# Altium PCB PCB3.PcbDoc (part 1 of 3)
Units mm, origin at the board's own origin, x right, y up, seen from the top; angles counter-clockwise.
Board outline 202.9 x 84.5 mm, 4 copper layers (Top Layer, GND, POWER, Bottom Layer), stack 1.564 mm thick; 186 components, 192 nets, 845 pads, 410 vias.
Unrouted connection lines stored in the file: 199.
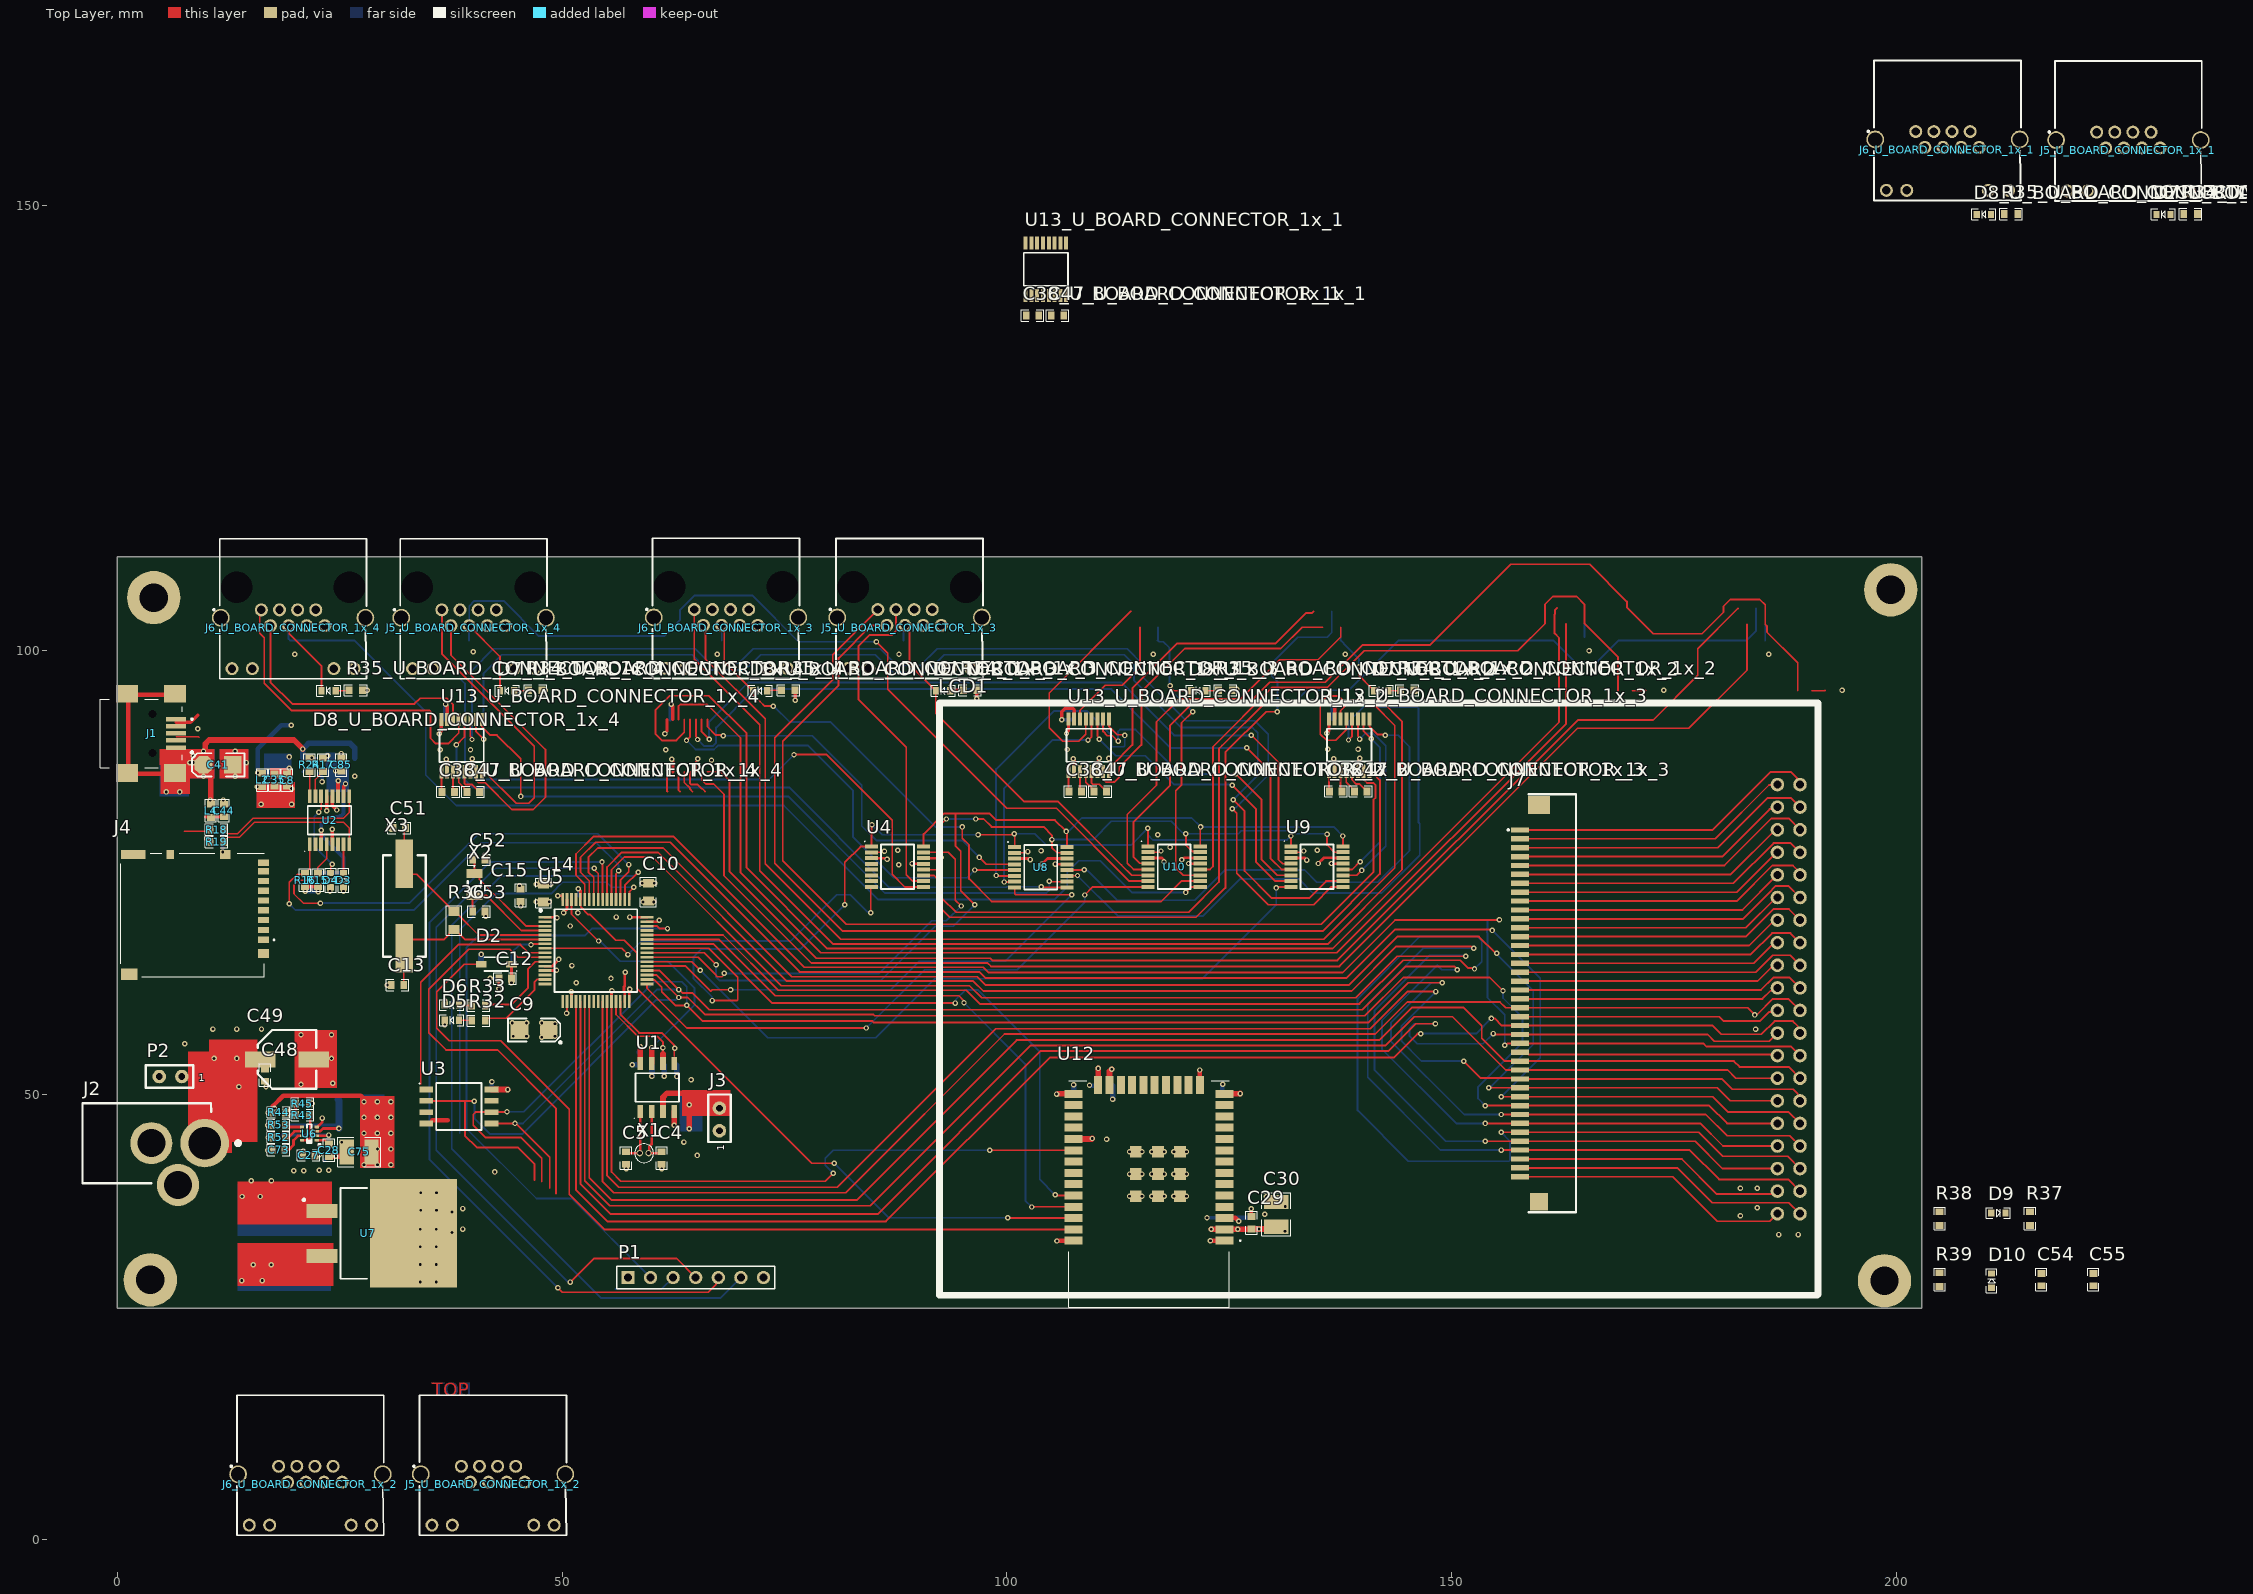
[diagram p0: Top Layer view]
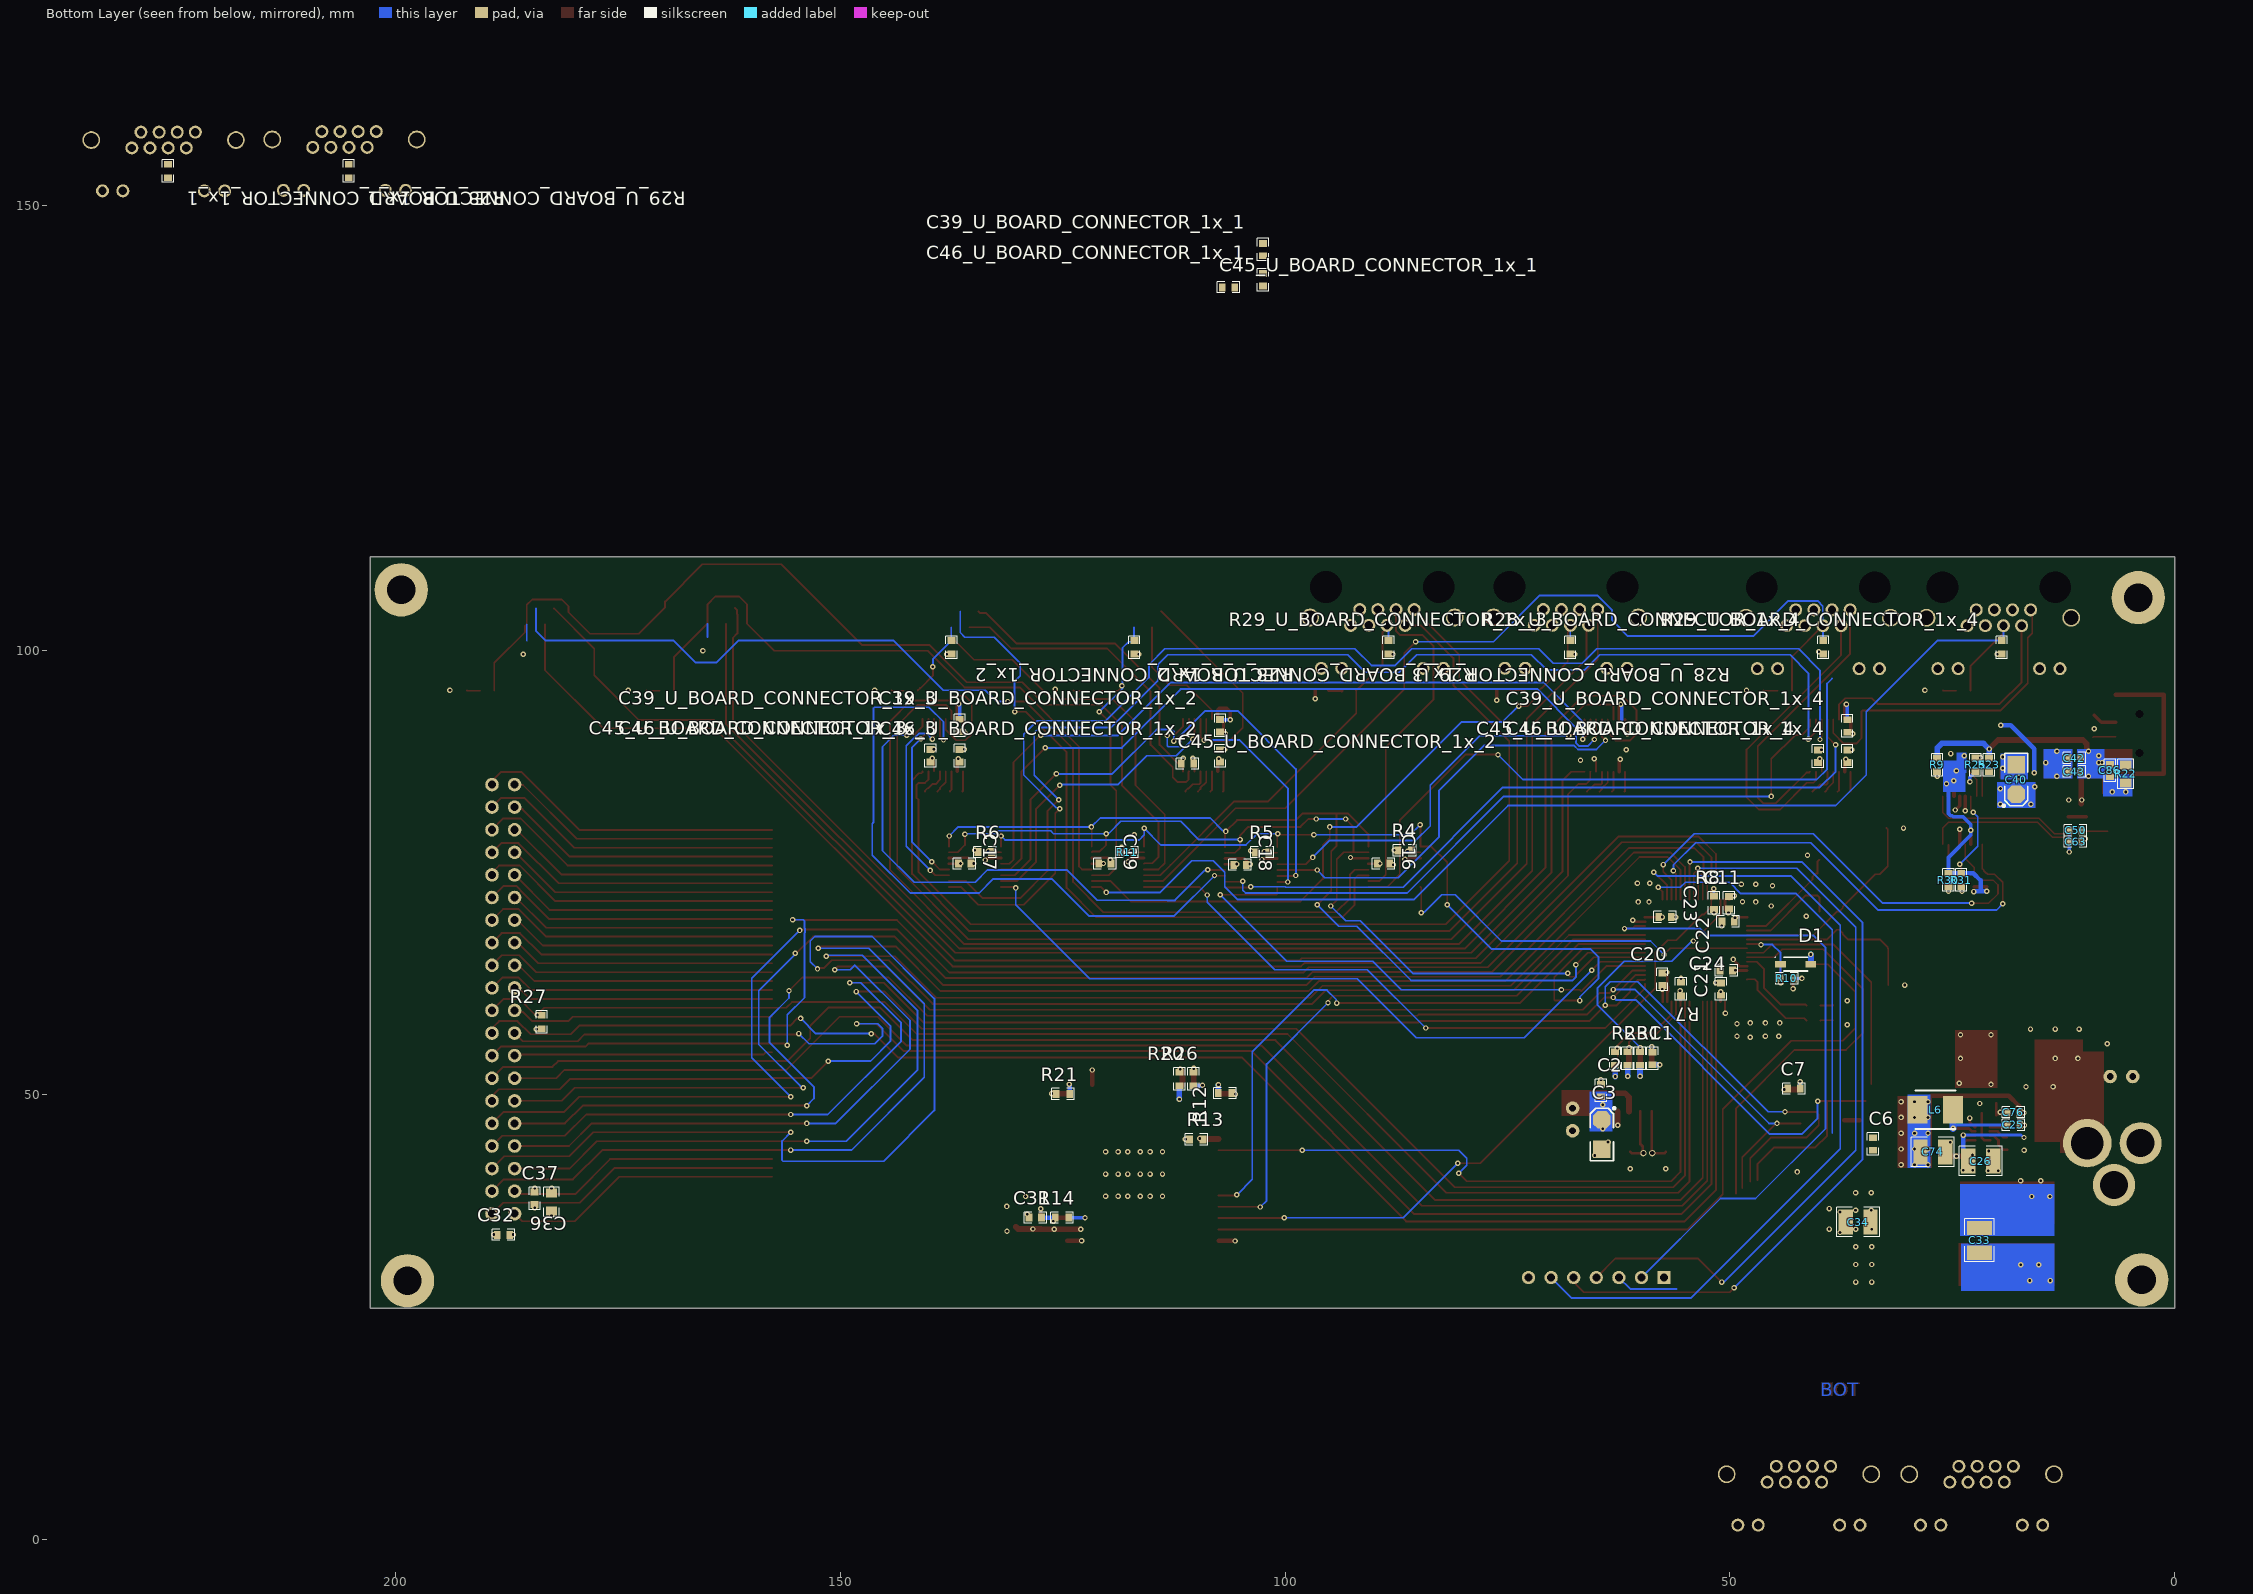
[diagram p1: Bottom Layer view, seen from below]
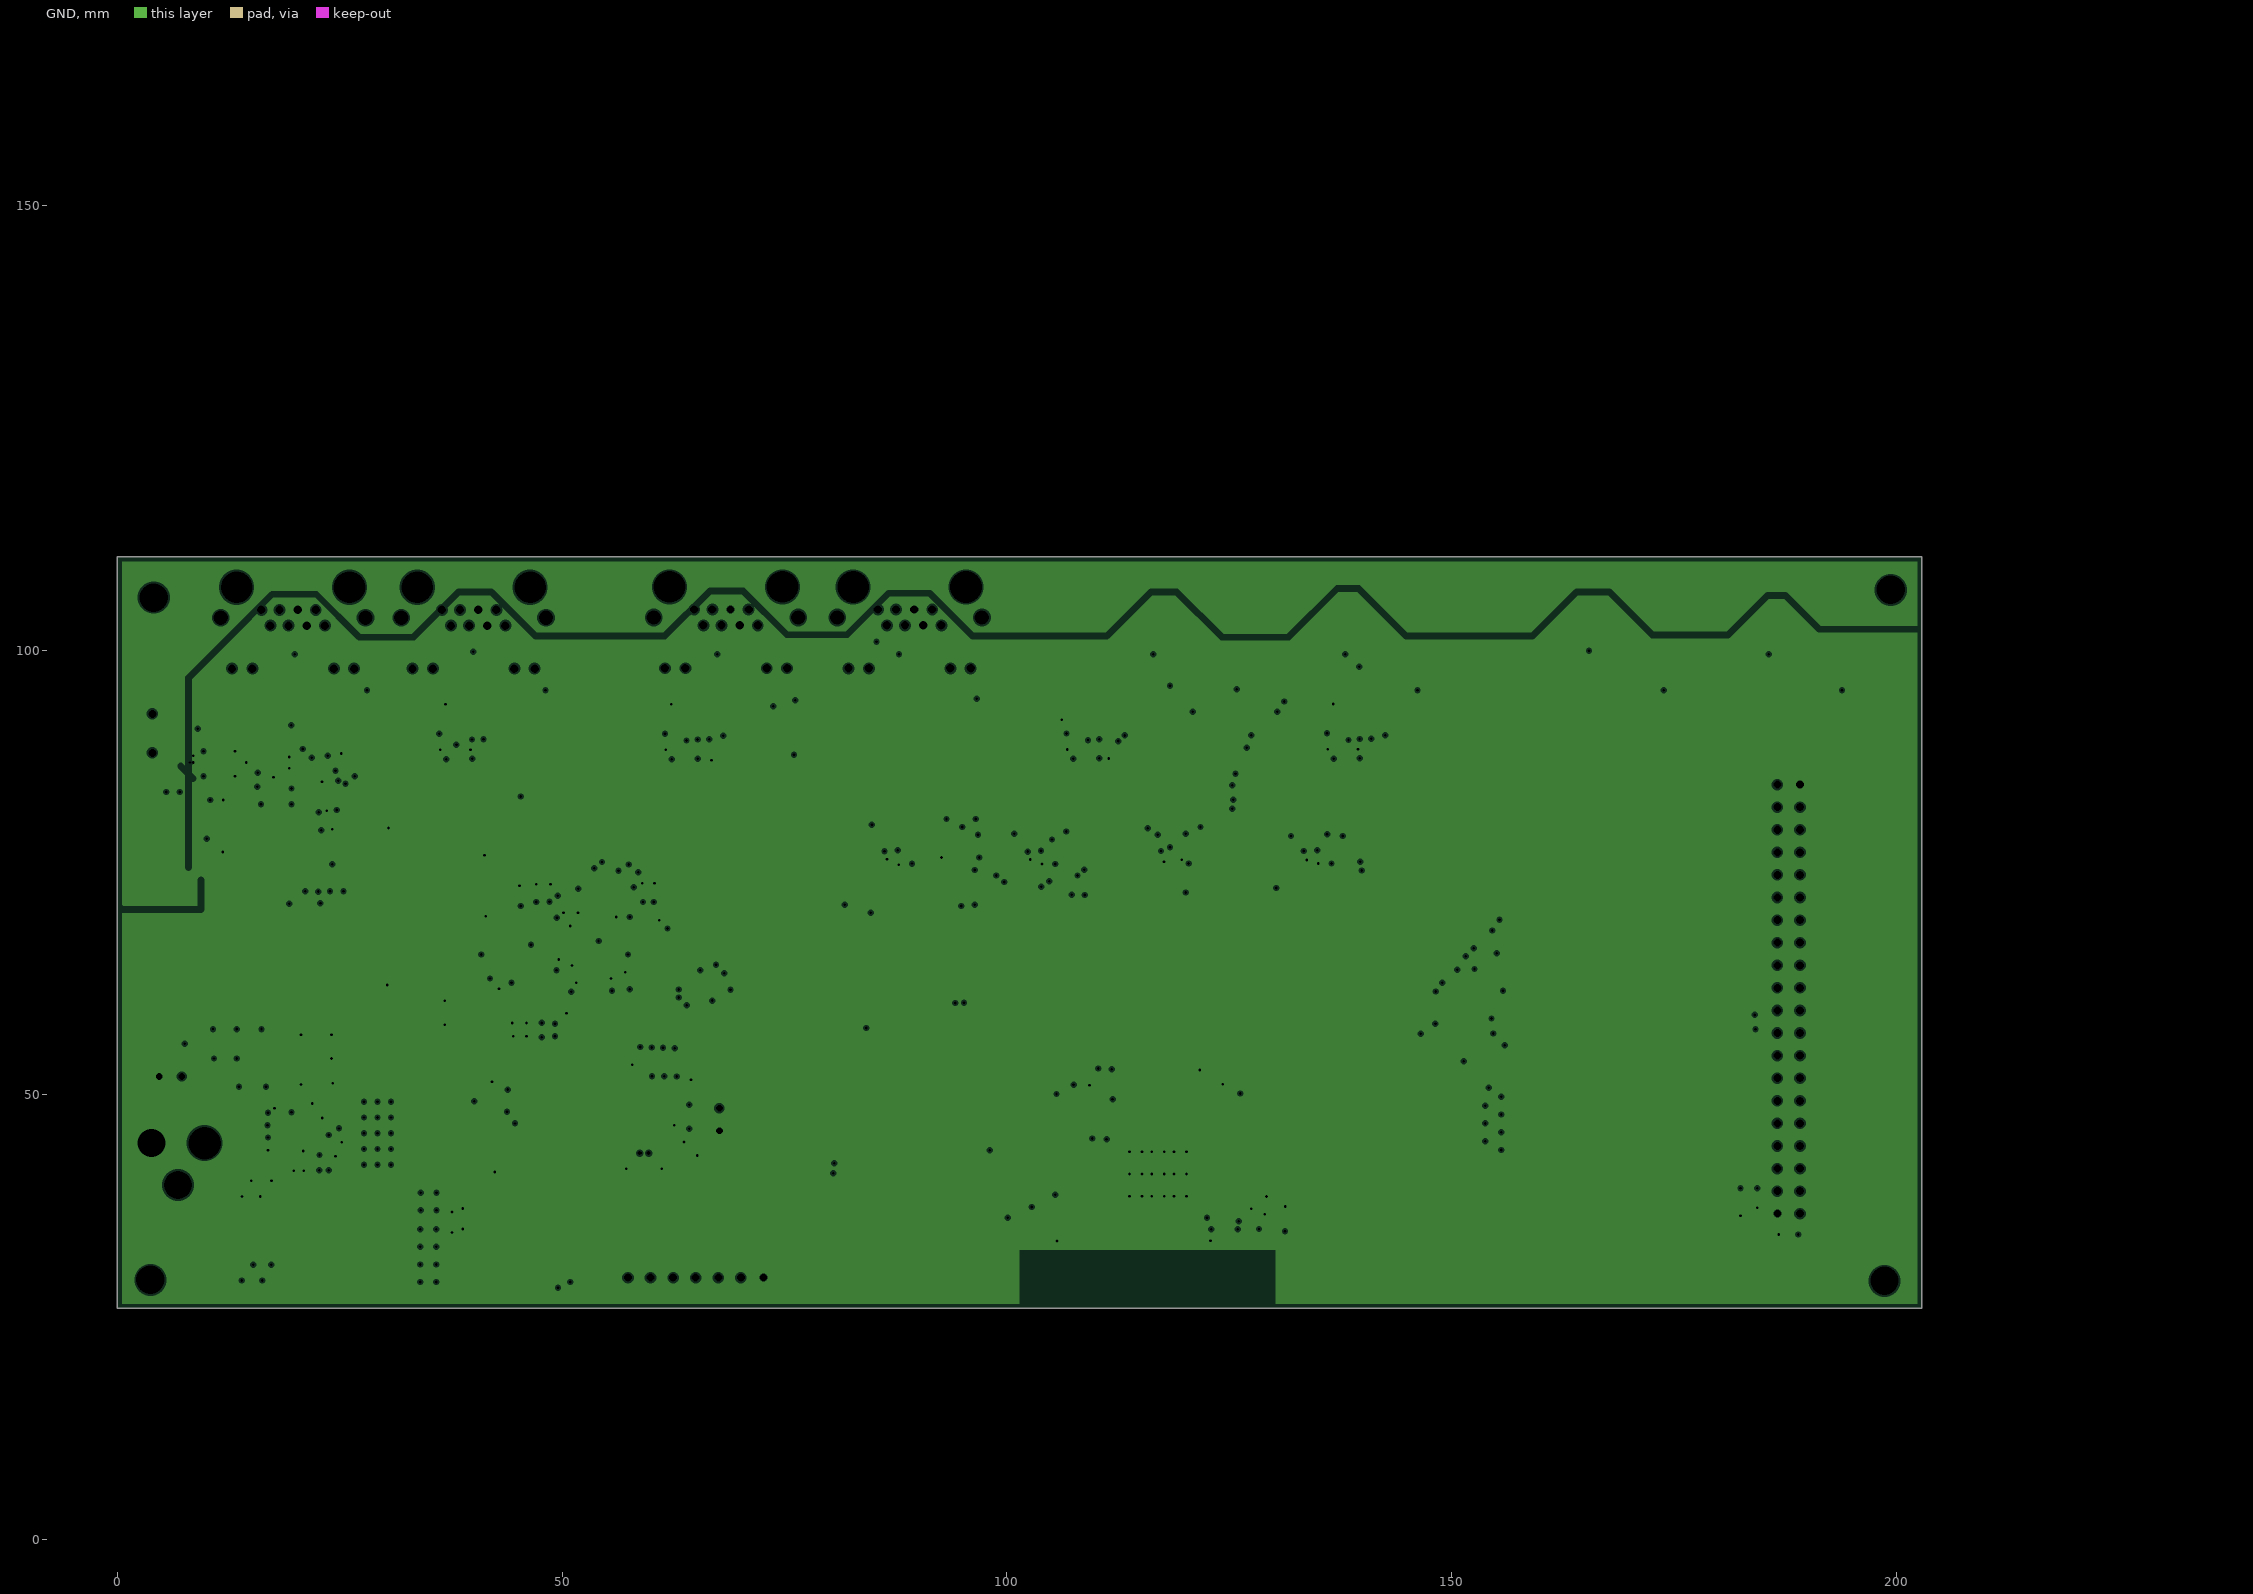
[diagram p2: GND, clearances drawn from the general rule]
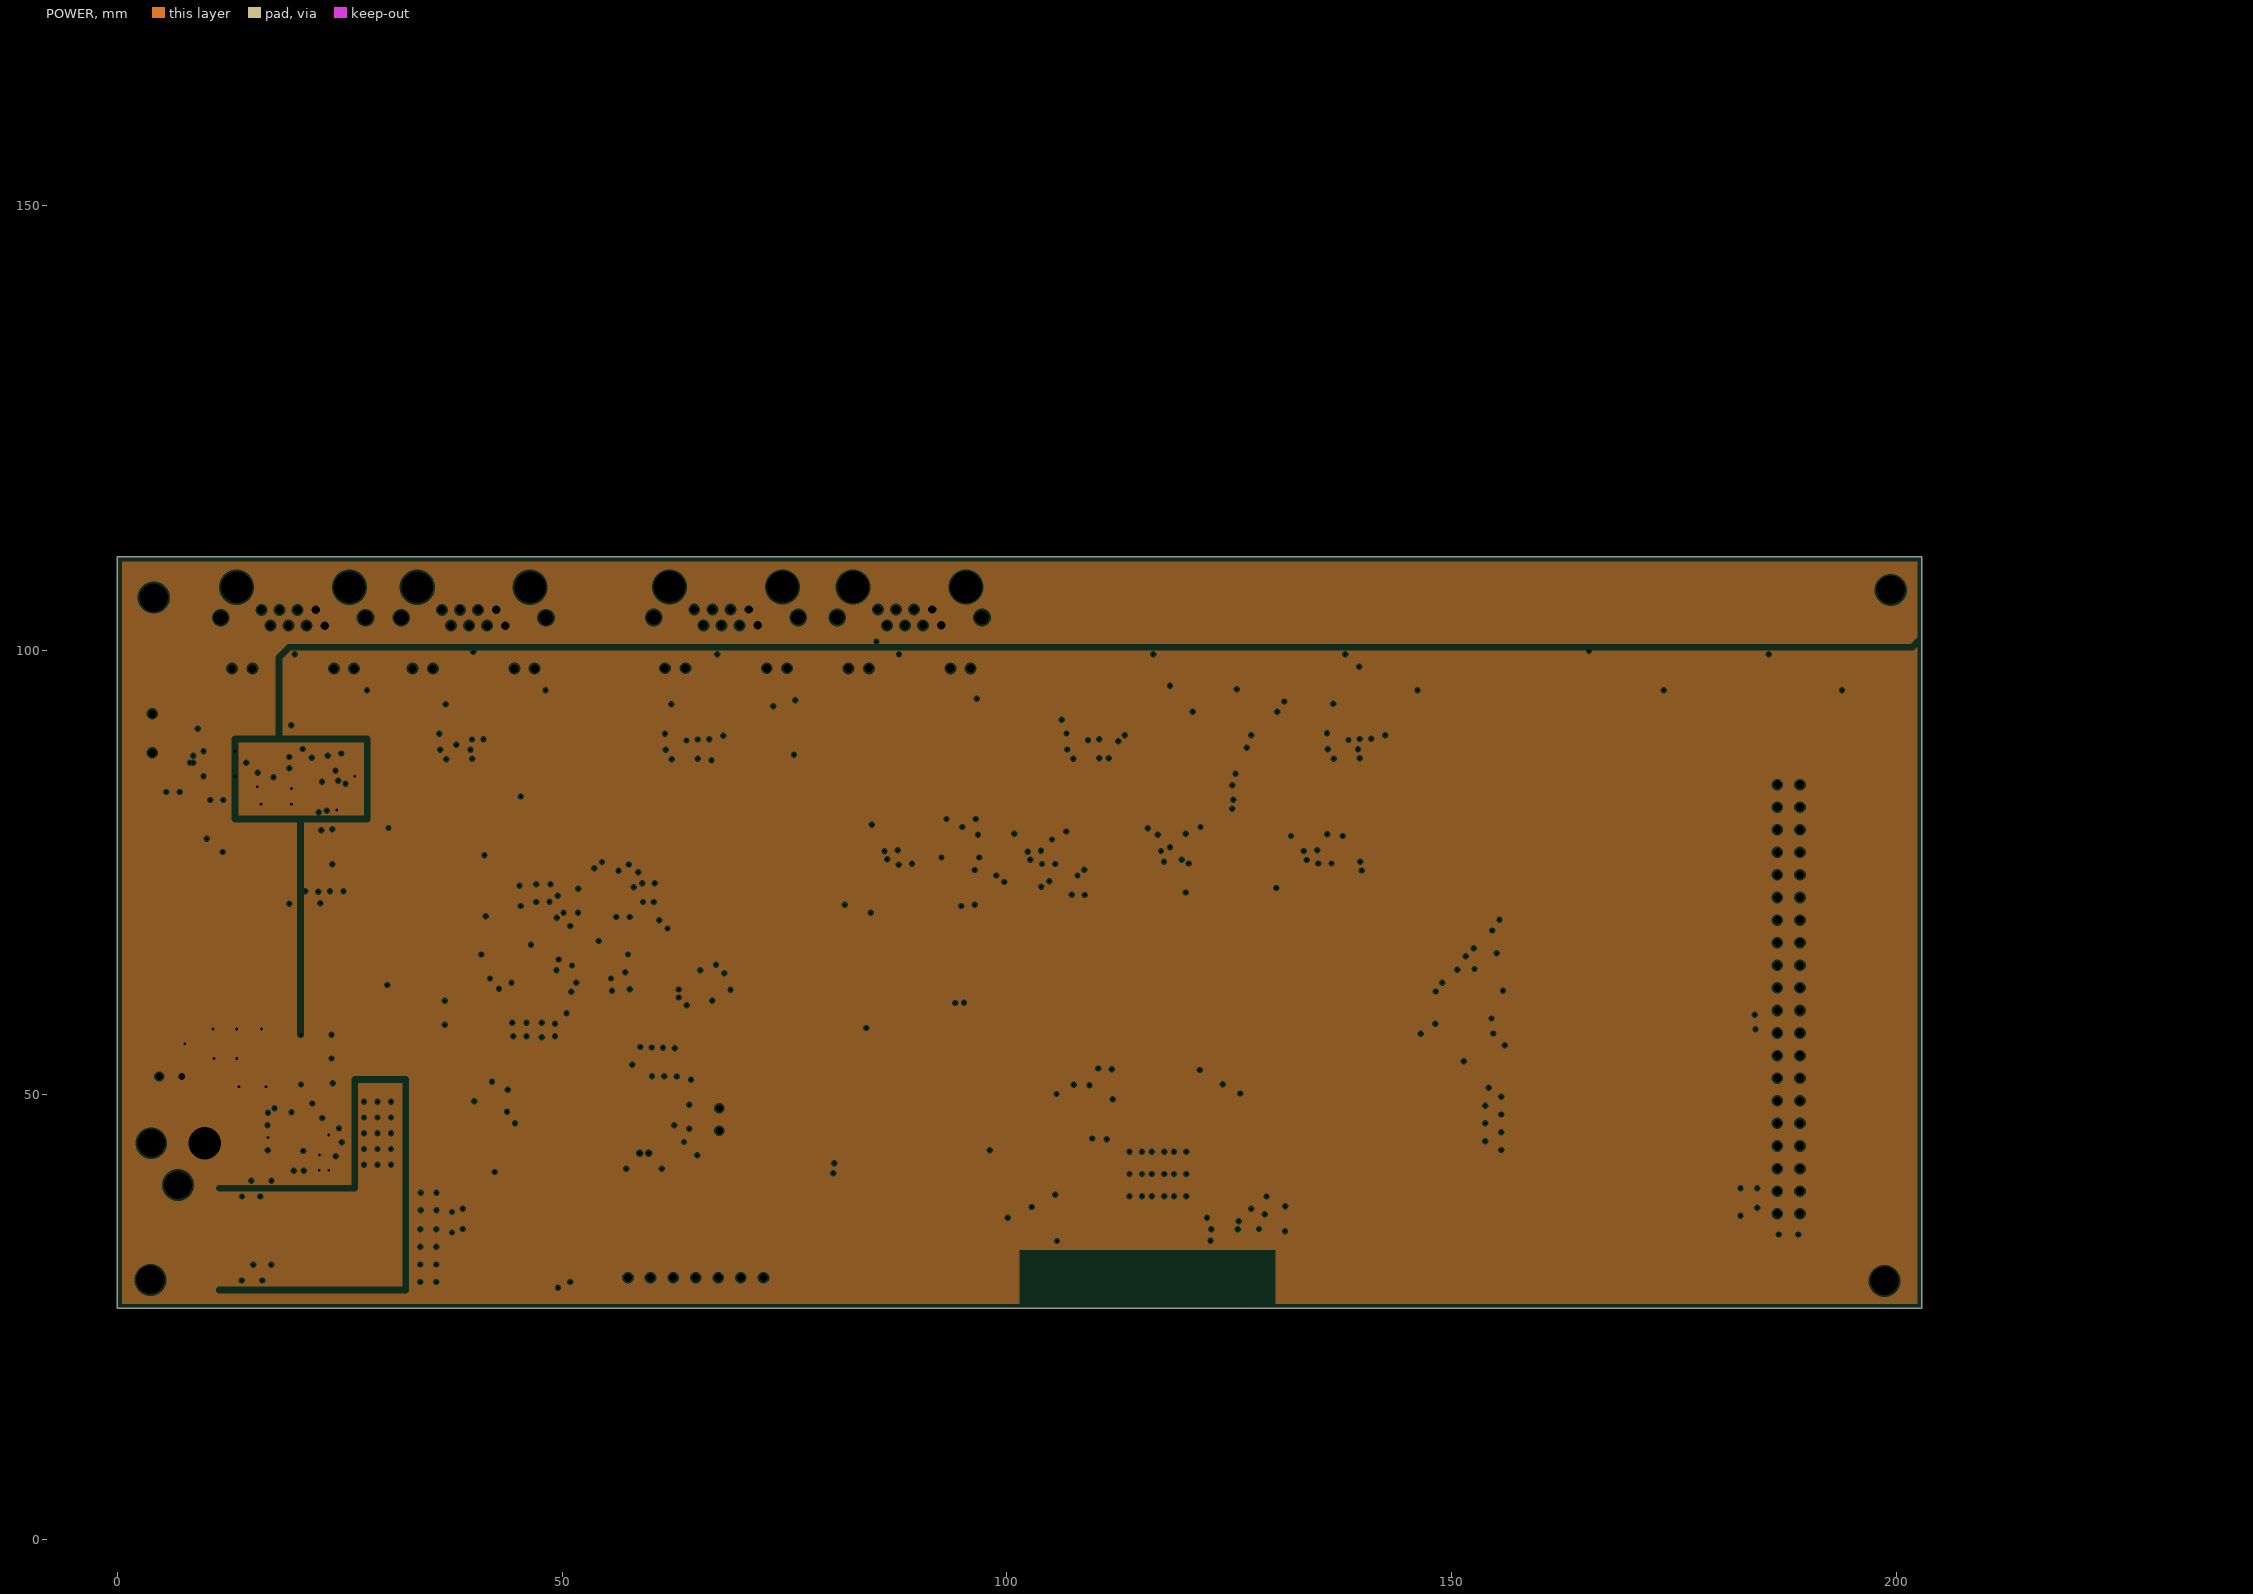
[diagram p3: POWER, clearances drawn from the general rule]

## Layer stack, top to bottom
Top Solder: solder mask 0.0102, Solder Resist, Dk 3.5
Top Layer: signal copper 0.0356
Dielectric 2: prepreg 0.127, PP-006, Dk 4.1
GND: plane copper 0.035, net (Multiple Nets)
Dielectric 1: dielectric 1.1684, FR-4, Dk 4.8
POWER: plane copper 0.035, net (Multiple Nets)
Dielectric 3: prepreg 0.127, PP-006, Dk 4.1
Bottom Layer: signal copper 0.0356
Bottom Solder: solder mask 0.0102, Solder Resist, Dk 3.5

## Board outline
0,26 202.9,26 202.9,110.5 0,110.5

## Design rules (kind name [scope] priority, off if disabled: settings)
Clearance [All] p1: gap=0.178 ignorepadtopadclearanceinfootprint=TRUE
ComponentClearance [All] p1: gap=0 collisioncheckmode=3 verticalgap=0 showdistances=FALSE
DiffPairsRouting [All] p1: maxlimit=0.254 minlimit=0.254 mostfreqgap=0.254 toplayer_minwidth=0.178 toplayer_maxwidth=0.381 toplayer_prefwidth=0.178 bottomlayer_minwidth=0.178 bottomlayer_maxwidth=0.381 bottomlayer_prefwidth=0.254 maxuncoupledlength=12.7
HoleSize [All] p1: absolutevalues=TRUE maxlimit=5.08 minlimit=0.025 maxpercent=80.000 minpercent=20.000
MinimumSolderMaskSliver [All] p1: minsoldermaskwidth=0
PlaneClearance [All] p1: clearance=0.203
PlaneConnect [All] p1: planeconnectstyle=Relief reliefexpansion=0.203 reliefentries=4 reliefconductorwidth=0.381 reliefairgap=0.203
PolygonConnect [All] p1: connectstyle=Relief reliefconductorwidth=0.254 reliefentries=4 polygonreliefangle="90 Angle" airgapwidth=0.254
RoomDefinition U_WIFI [InComponentClass('U_WIFI')] p1: confinementstyle=ConfineIn formatcopy=TRUE lockcomponents=FALSE outline -128.98,-132.69 -78.18,-132.69 -78.18,-107.29 -128.98,-107.29
RoomDefinition U_STM32 [InComponentClass('U_STM32')] p2: confinementstyle=ConfineIn formatcopy=TRUE lockcomponents=FALSE outline -128.98,-132.69 -78.18,-132.69 -78.18,-107.29 -128.98,-107.29
RoomDefinition U_SDCARD_FLASH [InComponentClass('U_SDCARD_FLASH')] p3: confinementstyle=ConfineIn formatcopy=TRUE lockcomponents=FALSE outline -128.98,-132.69 -78.18,-132.69 -78.18,-107.29 -128.98,-107.29
RoomDefinition U_RTC [InComponentClass('U_RTC')] p4: confinementstyle=ConfineIn formatcopy=TRUE lockcomponents=FALSE outline -128.98,-132.69 -78.18,-132.69 -78.18,-107.29 -128.98,-107.29
RoomDefinition U_POWER_CONTROLLER [InComponentClass('U_POWER_CONTROLLER')] p5: confinementstyle=ConfineIn formatcopy=TRUE lockcomponents=FALSE outline -128.98,-132.69 -78.18,-132.69 -78.18,-107.29 -128.98,-107.29
RoomDefinition U_LCD [InComponentClass('U_LCD')] p6: confinementstyle=ConfineIn formatcopy=TRUE lockcomponents=FALSE outline -128.98,-132.69 -78.18,-132.69 -78.18,-107.29 -128.98,-107.29
RoomDefinition U_FTDI [InComponentClass('U_FTDI')] p7: confinementstyle=ConfineIn formatcopy=TRUE lockcomponents=FALSE outline -128.98,-132.69 -78.18,-132.69 -78.18,-107.29 -128.98,-107.29
RoomDefinition U_BOARD_CONNECTOR_1x_4 [InComponentClass('U_BOARD_CONNECTOR_1x_4')] p8: confinementstyle=ConfineIn formatcopy=TRUE lockcomponents=FALSE outline -128.98,-132.69 -78.18,-132.69 -78.18,-107.29 -128.98,-107.29
RoomDefinition U_BOARD_CONNECTOR_1x_3 [InComponentClass('U_BOARD_CONNECTOR_1x_3')] p9: confinementstyle=ConfineIn formatcopy=TRUE lockcomponents=FALSE outline -128.98,-132.69 -78.18,-132.69 -78.18,-107.29 -128.98,-107.29
RoutingVias [All] p1: holewidth=0.305 width=0.61 viastyle="Through Hole" minholewidth=0.305 minwidth=0.61 maxholewidth=0.711 maxwidth=1.27
SilkToSilkClearance [All] p1: silktosilkclearance=0
SilkToSolderMaskClearance [IsPad] p1: minsilkscreentomaskgap=0 clearancetoexposedcopper=TRUE
SolderMaskExpansion [All] p1: expansion=0.102 istentingtop=FALSE
Width [All] p1: maxlimit=1.27 minlimit=0.178 preferedwidth=0.178 minimp=50.000000 maximp=50.000000 favimp=50.000000
22 further rules are at their usual default settings.
